# Altium PCB 4S SMART BMS İsmet Akalın.PcbDoc (part 1 of 2) (continued)
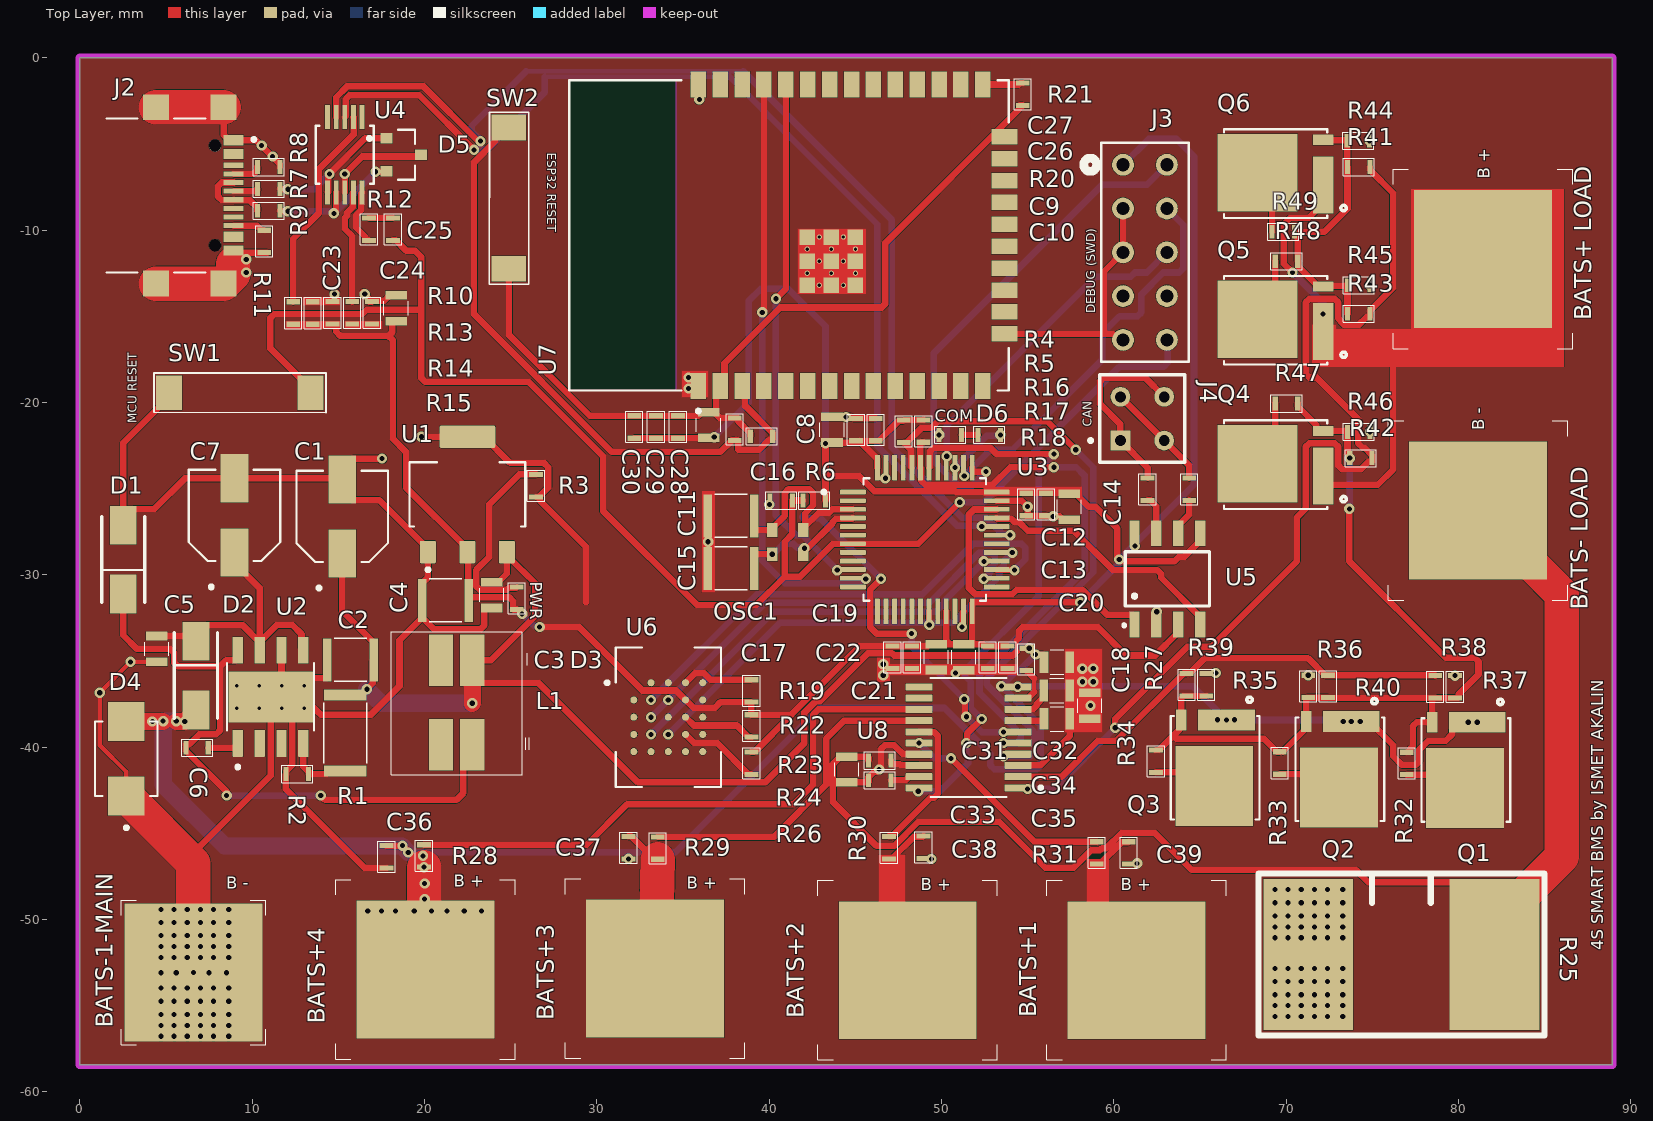
[diagram p0: Top Layer view]
## Part data (continued)
R24 R26: library part "RES 10 OHM 1.5W 0603", "10 Ohms ±2% 1.5W Chip Resistor 0603 (1608 Metric) Moisture Resistant Thick Film", Case/Package=0603, Manufacturer=Vishay, Max Operating Temperature=155°C, Max Power Dissipation=3.9W, Min Operating Temperature=-65°C, Power Dissipation=1.5W, Temperature Coefficient=150ppm/°C, Tolerance=2%, Working Voltage=3.873V, Category="Chip SMD Resistors", ComponentLink1Description=https://datasheet.octopart.com:443/RCP0603W10R0GEB-Vishay-datasheet-182028431.pdf?src-supplier=IHS, ComponentLink1URL=https://datasheet.octopart.com:443/RCP0603W10R0GEB-Vishay-datasheet-182028431.pdf?src-supplier=IHS, ComponentLink2Description=https://datasheet.octopart.com:443/RCP0603W10R0GEB-Vishay-datasheet-152607319.pdf?src-supplier=Upverter, ComponentLink2URL=https://datasheet.octopart.com:443/RCP0603W10R0GEB-Vishay-datasheet-152607319.pdf?src-supplier=Upverter, ComponentLink3Description=http://sigma.octopart.com:80/rohs_statement/Vishay-company-15.pdf?src-supplier=Compliance+Statements, ComponentLink3URL=http://sigma.octopart.com:80/rohs_statement/Vishay-company-15.pdf?src-supplier=Compliance+Statements, Composition="Thick Film", Features="Moisture Resistant", Height=460µm, Length=1.6002mm, Lifecycle Status=Production, Manufacturer Part Number=RCP0603W10R0GEB, Mounting Technology="Surface Mount", Number of Terminals=2, Number of Terminations=2, Power Rating=1.5W, Pricing="1000=1,5971 (USD)", RoHS=Compliant, Supplier="Arrow Electronics", Supplier Part Number=RCP0603W10R0GEB, Width=810µm
R25: library part "RES SHUNT 1 mOHM 10W", "10W Chip Resistor Nonstandard Current Sense, High Voltage Metal Element", Manufacturer=Littelfuse, Max Operating Temperature=170°C, Min Operating Temperature=-55°C, Power Dissipation=10W, Supplier Part Number=576-SSA5931LR001FDR, Temperature Coefficient=50ppm/°C, Tolerance=1%, Category="Chip SMD Resistors", ComponentLink1Description=https://datasheet.octopart.com:443/SSA5931LR001FDR-Littelfuse-datasheet-182144187.pdf?src-supplier=IHS, ComponentLink1URL=https://datasheet.octopart.com:443/SSA5931LR001FDR-Littelfuse-datasheet-182144187.pdf?src-supplier=IHS, Height=500µm, Lifecycle Status=Production, Manufacturer Part Number=SSA5931LR001FDR, Mounting Technology="Surface Mount", Number of Terminals=2, Pricing="1=1,96, 10=1,3, 50=1,01, 100=0,909, 1000=0,677, 10000=0,611 (USD)", RoHS=Compliant, Stock=1410, Supplier=Mouser, Width=7.75mm
R27: library part "RES 10 OHM 1/10W 0603", "10 Ohms ±0.5% 0.1W, 1/10W Chip Resistor 0603 (1608 Metric) Thin Film", Case Code (Imperial)=0603, Manufacturer="Yageo Group", Max Operating Temperature=155°C, Max Power Dissipation=100mW, Min Operating Temperature=-55°C, Supplier Part Number=4013877, Temperature Coefficient=50ppm/°C, Tolerance=0.5%, Voltage Rating=75V, Voltage Rating (DC)=50V, Case/Package=0603, Category="Chip SMD Resistors", China RoHS=Non-Compliant, ComponentLink1Description=https://datasheet.octopart.com:443/RT0603DRE0710RL-Yageo-datasheet-176402239.pdf?src-supplier=Newark, ComponentLink1URL=https://datasheet.octopart.com:443/RT0603DRE0710RL-Yageo-datasheet-176402239.pdf?src-supplier=Newark, ComponentLink2Description=https://datasheet.octopart.com:443/RT0603DRE0710RL-Yageo-datasheet-96443642.pdf?src-supplier=Upverter, ComponentLink2URL=https://datasheet.octopart.com:443/RT0603DRE0710RL-Yageo-datasheet-96443642.pdf?src-supplier=Upverter, ComponentLink3Description=https://datasheet.octopart.com:443/RT0603DRE0710RL-Yageo-datasheet-169971040.pdf?src-supplier=Future+Electronics, ComponentLink3URL=https://datasheet.octopart.com:443/RT0603DRE0710RL-Yageo-datasheet-169971040.pdf?src-supplier=Future+Electronics, ComponentLink4Description=https://datasheet.octopart.com:443/RT0603DRE0710RL-Yageo-datasheet-166250672.pdf?src-supplier=Future+Electronics, ComponentLink4URL=https://datasheet.octopart.com:443/RT0603DRE0710RL-Yageo-datasheet-166250672.pdf?src-supplier=Future+Electronics, ComponentLink5Description=https://datasheet.octopart.com:443/RT0603DRE0710RL-Yageo-datasheet-136673517.pdf?src-supplier=Future+Electronics, ComponentLink5URL=https://datasheet.octopart.com:443/RT0603DRE0710RL-Yageo-datasheet-136673517.pdf?src-supplier=Future+Electronics, ComponentLink6Description=https://datasheet.octopart.com:443/RT0603DRE0710RL-Yageo-datasheet-137700930.pdf?src-supplier=Future+Electronics, ComponentLink6URL=https://datasheet.octopart.com:443/RT0603DRE0710RL-Yageo-datasheet-137700930.pdf?src-supplier=Future+Electronics, ComponentLink7Description=https://datasheet.octopart.com:443/RT0603DRE0710RL-Yageo-Group-datasheet-141265893.pdf?src-supplier=ODG+(Origin+Data+Global), ComponentLink7URL=https://datasheet.octopart.com:443/RT0603DRE0710RL-Yageo-Group-datasheet-141265893.pdf?src-supplier=ODG+(Origin+Data+Global), ComponentLink8Description=https://datasheet.octopart.com/RT0603DRE0710RL-Yageo-datasheet-86813807.pdf, ComponentLink8URL=https://datasheet.octopart.com/RT0603DRE0710RL-Yageo-datasheet-86813807.pdf, ComponentLink9Description=http://sigma.octopart.com:80/conflict_mineral_statement/Yageo-company-3.pdf?src-supplier=Compliance+Statements, ComponentLink9URL=http://sigma.octopart.com:80/conflict_mineral_statement/Yageo-company-3.pdf?src-supplier=Compliance+Statements, ComponentLink10Description=http://sigma.octopart.com:80/rohs_statement/Yageo-company-2.pdf?src-supplier=Compliance+Statements, ComponentLink10URL=http://sigma.octopart.com:80/rohs_statement/Yageo-company-2.pdf?src-supplier=Compliance+Statements, Composition="Thin Film", Contact Plating=Tin, Features="Moisture Resistant", Height=450µm, Lead Free="Lead Free", Length=1.6002mm, Lifecycle Status=Production, Manufacturer Part Number=RT0603DRE0710RL, Mounting Technology="Surface Mount", Number of Terminals=2, Number of Terminations=2, Packaging="Tape & Reel (TR)", Power Dissipation=100mW, Power Rating=100mW, Pricing="10=0,0244, 100=0,018, 500=0,0165, 1000=0,015, 2500=0,0135, 5000=0,012 (EUR)", Radiation Hardening=No, REACH SVHC=Yes, RoHS=Compliant, Stock=4780, Supplier=Farnell, Width=800µm, Working Voltage=75V
R28 R29 R30 R31 R32 R33 R34 R47 R48 R49: library part "RES 100K OHM 1/10W 0603", "100 kOhms ±0.1% 0.1W, 1/10W Chip Resistor 0603 (1608 Metric) Anti-Sulfur, Automotive AEC-Q200 Thin Film", Case Code (Metric)=1608, Case Code (Imperial)=0603, Manufacturer=Susumu, Max Operating Temperature=155°C, Max Power Dissipation=100mW, Min Operating Temperature=-55°C, Supplier Part Number=2180081, Temperature Coefficient=10ppm/°C, Tolerance=0.1%, Voltage Rating=100V, Voltage Rating (DC)=75V, Case/Package=0603, Category="Chip SMD Resistors", ComponentLink1Description=https://datasheet.octopart.com:443/RG1608P-104-B-T5-Susumu-datasheet-182148308.pdf?src-supplier=IHS, ComponentLink1URL=https://datasheet.octopart.com:443/RG1608P-104-B-T5-Susumu-datasheet-182148308.pdf?src-supplier=IHS, ComponentLink2Description=https://datasheet.octopart.com:443/RG1608P-104-B-T5-Susumu-datasheet-104167497.pdf?src-supplier=Upverter, ComponentLink2URL=https://datasheet.octopart.com:443/RG1608P-104-B-T5-Susumu-datasheet-104167497.pdf?src-supplier=Upverter, ComponentLink3Description=https://datasheet.octopart.com:443/RG1608P-104-B-T5-Susumu-datasheet-68296037.pdf?src-supplier=Future+Electronics, ComponentLink3URL=https://datasheet.octopart.com:443/RG1608P-104-B-T5-Susumu-datasheet-68296037.pdf?src-supplier=Future+Electronics, ComponentLink4Description=https://datasheet.octopart.com:443/RG1608P-104-B-T5-Susumu-datasheet-12510102.pdf?src-supplier=Future+Electronics, ComponentLink4URL=https://datasheet.octopart.com:443/RG1608P-104-B-T5-Susumu-datasheet-12510102.pdf?src-supplier=Future+Electronics, ComponentLink5Description=https://datasheet.octopart.com:443/RG1608P-104-B-T5-Susumu-datasheet-12510050.pdf?src-supplier=Future+Electronics, ComponentLink5URL=https://datasheet.octopart.com:443/RG1608P-104-B-T5-Susumu-datasheet-12510050.pdf?src-supplier=Future+Electronics, ComponentLink6Description=https://datasheet.octopart.com/RG1608P-104-B-T5-Susumu-datasheet-12509734.pdf, ComponentLink6URL=https://datasheet.octopart.com/RG1608P-104-B-T5-Susumu-datasheet-12509734.pdf, ComponentLink7Description=https://datasheet.octopart.com:443/RG1608P-104-B-T5-Susumu-datasheet-118552.pdf?src-supplier=DigiKey, ComponentLink7URL=https://datasheet.octopart.com:443/RG1608P-104-B-T5-Susumu-datasheet-118552.pdf?src-supplier=DigiKey, Composition="Thin Film", Features="Automotive AEC-Q200", Height=400µm, Lead Free="Lead Free", Length=1.6002mm, Lifecycle Status=Production, Manufacturer Part Number=RG1608P-104-B-T5, Mounting Technology="Surface Mount", Number of Terminals=2, Number of Terminations=2, Power Dissipation=100mW, Power Rating=100mW, Pricing="5000=0,0575, 10000=0,0565, 15000=0,0559, 20000=0,0556, 25000=0,0543 (USD)", REACH SVHC=Yes, RoHS=Compliant, Schedule B=8533210045, Stock=50000, Supplier="Future Electronics", Termination=SMD/SMT, Weight=2.012816mg, Width=800µm, Working Voltage=75V
R35 R36 R37 R38 R39 R40 R41 R42 R43 R44 R45 R46: library part "RES 100 OHM 1/10W 0603", "100 Ohms ±0.1% 0.1W, 1/10W Chip Resistor 0603 (1608 Metric) Anti-Sulfur, Automotive AEC-Q200 Thin Film", Case Code (Metric)=1608, Case Code (Imperial)=0603, Manufacturer=Susumu, Max Operating Temperature=155°C, Max Power Dissipation=100mW, Min Operating Temperature=-55°C, Supplier Part Number=2930963, Temperature Coefficient=25ppm/°C, Tolerance=0.1%, Voltage Rating=100V, Voltage Rating (DC)=75V, Case/Package=0603, Category="Chip SMD Resistors", ComponentLink1Description=https://datasheet.octopart.com:443/RG1608P-101-B-T5-Susumu-datasheet-182148308.pdf?src-supplier=IHS, ComponentLink1URL=https://datasheet.octopart.com:443/RG1608P-101-B-T5-Susumu-datasheet-182148308.pdf?src-supplier=IHS, ComponentLink2Description=https://datasheet.octopart.com:443/RG1608P-101-B-T5-Susumu-datasheet-104167497.pdf?src-supplier=Upverter, ComponentLink2URL=https://datasheet.octopart.com:443/RG1608P-101-B-T5-Susumu-datasheet-104167497.pdf?src-supplier=Upverter, ComponentLink3Description=https://datasheet.octopart.com:443/RG1608P-101-B-T5-Susumu-datasheet-78834969.pdf?src-supplier=Farnell, ComponentLink3URL=https://datasheet.octopart.com:443/RG1608P-101-B-T5-Susumu-datasheet-78834969.pdf?src-supplier=Farnell, ComponentLink4Description=https://datasheet.octopart.com:443/RG1608P-101-B-T5-Susumu-datasheet-12509734.pdf?src-supplier=Future+Electronics, ComponentLink4URL=https://datasheet.octopart.com:443/RG1608P-101-B-T5-Susumu-datasheet-12509734.pdf?src-supplier=Future+Electronics, ComponentLink5Description=https://datasheet.octopart.com:443/RG1608P-101-B-T5-Susumu-datasheet-12510102.pdf?src-supplier=Future+Electronics, ComponentLink5URL=https://datasheet.octopart.com:443/RG1608P-101-B-T5-Susumu-datasheet-12510102.pdf?src-supplier=Future+Electronics, ComponentLink6Description=https://datasheet.octopart.com:443/RG1608P-101-B-T5-Susumu-datasheet-12510050.pdf?src-supplier=Future+Electronics, ComponentLink6URL=https://datasheet.octopart.com:443/RG1608P-101-B-T5-Susumu-datasheet-12510050.pdf?src-supplier=Future+Electronics, ComponentLink7Description=https://datasheet.octopart.com:443/RG1608P-101-B-T5-Susumu-datasheet-8324184.pdf?src-supplier=Newark, ComponentLink7URL=https://datasheet.octopart.com:443/RG1608P-101-B-T5-Susumu-datasheet-8324184.pdf?src-supplier=Newark, ComponentLink8Description=https://datasheet.octopart.com:443/RG1608P-101-B-T5-Susumu-datasheet-118552.pdf?src-supplier=DigiKey, ComponentLink8URL=https://datasheet.octopart.com:443/RG1608P-101-B-T5-Susumu-datasheet-118552.pdf?src-supplier=DigiKey, Composition="Thin Film", Contact Plating=Tin, Features="Automotive AEC-Q200", Height=400µm, Lead Free="Lead Free", Length=1.6002mm, Lifecycle Status=Production, Manufacturer Part Number=RG1608P-101-B-T5, Mounting Technology="Surface Mount", Number of Terminals=2, Number of Terminations=2, Packaging="Tape & Reel", Pins=2, Power Dissipation=100mW, Power Rating=100mW, Pricing="1=0,095, 25=0,075, 50=0,069, 100=0,062, 250=0,056 (EUR)", REACH SVHC=Yes, RoHS=Compliant, Stock=4117, Supplier=Farnell, Termination=SMD/SMT, Width=800µm, Working Voltage=100V
SW1 SW2: library part "SWITCH TACTILE 0.05A 12V", "Switch Tactile Spst-no 0.05A 12V", Contact Resistance=100mΩ, Manufacturer="C&K Components", Supplier Part Number=611-PTS636SM50JSMTRL, Category="Tactile Switches", ComponentLink1Description=https://datasheet.octopart.com:443/PTS636SM50JSMTR-LFS-C%26K-Components-datasheet-166147775.pdf?src-supplier=TME, ComponentLink1URL=https://datasheet.octopart.com:443/PTS636SM50JSMTR-LFS-C%26K-Components-datasheet-166147775.pdf?src-supplier=TME, Manufacturer Part Number="PTS636SM50JSMTR LFS", Number of Positions=2, Pricing="1=0,21, 10=0,183, 50=0,172, 100=0,155, 1000=0,123, 10000=0,112 (USD)", Stock=6250, Supplier=Mouser
U1: "IC REG LINEAR 3.3V 1A SOT-223-3L", Manufacturer=ams, Max Junction Temperature (Tj)=125°C, Voltage Tolerance=3%, Category="LDO Voltage Regulators", ComponentLink1Description=https://datasheet.octopart.com:443/AMS1117-3.3-ams-datasheet-31830847.pdf?src-supplier=IHS, ComponentLink1URL=https://datasheet.octopart.com:443/AMS1117-3.3-ams-datasheet-31830847.pdf?src-supplier=IHS, Height - Seated (Max)=1.8mm, Length=6.505mm, Manufacturer Part Number=AMS1117-3.3, Number of Circuits=1, Number of Terminals=3, Pricing="100=0,1, 1000=0,1, 10000=0,1 (USD)", REACH SVHC=Yes, RoHS=Compliant, Stock=375, Supplier="Bison Technologies", Terminal Pitch=2.29mm, Width=3.505mm
U2: "5.5V to 36V Input, 3A, 500kHz Step-Down Converter 8-SO PowerPAD 0 to 0", Case/Package=SOIC, Frequency=600kHz, Manufacturer="Texas Instruments", Manufacturer Lifecycle Status=ACTIVE, Max Junction Temperature (Tj)=125°C, Max Output current=3A, Max Output Voltage=31V, Max Supply Voltage=36V, Min Operating Temperature=-40°C, Min Output Voltage=1.22V, Min Supply Voltage=5.5V, Nominal Supply Current=3mA, Switching Frequency=500kHz, Category="Voltage Regulators - Switching", ComponentLink1Description=https://sigma.octopart.com:443/104526336/technical_drawing/Texas-Instruments-TPS5430DDA.pdf?src-supplier=Texas+Instruments, ComponentLink1URL=https://sigma.octopart.com:443/104526336/technical_drawing/Texas-Instruments-TPS5430DDA.pdf?src-supplier=Texas+Instruments, ComponentLink2Description=https://octopart.com:443/opatz8j6/c1?t=cQwpT0IAjSvIeJNymzR49Ha4c8-Jw2GT8njN-4Wya_e5nsqySIYXgLxhkt0Jd4x2pizck7_uu0HpZBw0JIFNfGGHRxe2c5Q7M53Cns2xcEWVPkypOPmOnsio6HGwNRmBpO-tMX1aZ7VXmPql3w2aNZ9NhKChGGzvfC2q8bq69m3tcrhUwZqRyTiP4V9FR-DzuPaqnEQMs9yZrbpgcvLaaD0vy6xkV0-8W_9Zwu7IarCKUSxbgWNR-blL30e4x9bwSFN6WJrXrHFDNBoVcqvo5cL7ylo3HUXX5OruNdVRWvfm9UQ8Yujwri02A_A1AhmI0qVpc6YNiv36RxOftZXveUNmTKoyiKy0CBBmk6sHc2xMuj3RoS5LRI_jl5pMJHu_-RE&src-supplier=Texas+Instruments, ComponentLink2URL=https://octopart.com:443/opatz8j6/c1?t=cQwpT0IAjSvIeJNymzR49Ha4c8-Jw2GT8njN-4Wya_e5nsqySIYXgLxhkt0Jd4x2pizck7_uu0HpZBw0JIFNfGGHRxe2c5Q7M53Cns2xcEWVPkypOPmOnsio6HGwNRmBpO-tMX1aZ7VXmPql3w2aNZ9NhKChGGzvfC2q8bq69m3tcrhUwZqRyTiP4V9FR-DzuPaqnEQMs9yZrbpgcvLaaD0vy6xkV0-8W_9Zwu7IarCKUSxbgWNR-blL30e4x9bwSFN6WJrXrHFDNBoVcqvo5cL7ylo3HUXX5OruNdVRWvfm9UQ8Yujwri02A_A1AhmI0qVpc6YNiv36RxOftZXveUNmTKoyiKy0CBBmk6sHc2xMuj3RoS5LRI_jl5pMJHu_-RE&src-supplier=Texas+Instruments, ComponentLink3Description=https://datasheet.octopart.com:443/TPS5430DDA-Texas-Instruments-datasheet-34154659.pdf?src-supplier=Texas+Instruments, ComponentLink3URL=https://datasheet.octopart.com:443/TPS5430DDA-Texas-Instruments-datasheet-34154659.pdf?src-supplier=Texas+Instruments, ComponentLink4Description=https://datasheet.octopart.com:443/TPS5430DDA-Texas-Instruments-datasheet-17423535.pdf?src-supplier=Texas+Instruments, ComponentLink4URL=https://datasheet.octopart.com:443/TPS5430DDA-Texas-Instruments-datasheet-17423535.pdf?src-supplier=Texas+Instruments, ComponentLink5Description=https://datasheet.octopart.com:443/TPS5430DDA-Texas-Instruments-datasheet-13479706.pdf?src-supplier=Texas+Instruments, ComponentLink5URL=https://datasheet.octopart.com:443/TPS5430DDA-Texas-Instruments-datasheet-13479706.pdf?src-supplier=Texas+Instruments, ComponentLink6Description=https://sigma.octopart.com:443/49250132/technical_drawing/Texas-Instruments-TPS5430DDA.pdf?src-supplier=Texas+Instruments, ComponentLink6URL=https://sigma.octopart.com:443/49250132/technical_drawing/Texas-Instruments-TPS5430DDA.pdf?src-supplier=Texas+Instruments, ComponentLink7Description=https://datasheet.octopart.com:443/TPS5430DDA-Texas-Instruments-datasheet-10258285.pdf?src-supplier=Texas+Instruments, ComponentLink7URL=https://datasheet.octopart.com:443/TPS5430DDA-Texas-Instruments-datasheet-10258285.pdf?src-supplier=Texas+Instruments, ComponentLink8Description=https://datasheet.octopart.com:443/TPS5430DDA-Texas-Instruments-datasheet-151806.pdf?src-supplier=Texas+Instruments, ComponentLink8URL=https://datasheet.octopart.com:443/TPS5430DDA-Texas-Instruments-datasheet-151806.pdf?src-supplier=Texas+Instruments, ComponentLink9Description=https://datasheet.octopart.com:443/TPS5430DDA-Texas-Instruments-datasheet-136392.pdf?src-supplier=Texas+Instruments, ComponentLink9URL=https://datasheet.octopart.com:443/TPS5430DDA-Texas-Instruments-datasheet-136392.pdf?src-supplier=Texas+Instruments, ComponentLink10Description=https://datasheet.octopart.com:443/TPS5430DDA-Texas-Instruments-datasheet-37140813.pdf?src-supplier=element14+APAC, ComponentLink10URL=https://datasheet.octopart.com:443/TPS5430DDA-Texas-Instruments-datasheet-37140813.pdf?src-supplier=element14+APAC, ComponentLink11Description=https://datasheet.octopart.com:443/TPS5430DDA-Texas-Instruments-datasheet-66810009.pdf?src-supplier=element14+APAC, ComponentLink11URL=https://datasheet.octopart.com:443/TPS5430DDA-Texas-Instruments-datasheet-66810009.pdf?src-supplier=element14+APAC, ComponentLink12Description=https://datasheet.octopart.com:443/TPS5430DDA.-Texas-Instruments-datasheet-62292585.pdf?src-supplier=element14+APAC, ComponentLink12URL=https://datasheet.octopart.com:443/TPS5430DDA.-Texas-Instruments-datasheet-62292585.pdf?src-supplier=element14+APAC, ComponentLink13Description=https://datasheet.octopart.com:443/TPS5430DDA.-Texas-Instruments-datasheet-32026778.pdf?src-supplier=element14+APAC, ComponentLink13URL=https://datasheet.octopart.com:443/TPS5430DDA.-Texas-Instruments-datasheet-32026778.pdf?src-supplier=element14+APAC, ComponentLink14Description=https://datasheet.octopart.com:443/TPS5430DDA-Texas-Instruments-datasheet-21262768.pdf?src-supplier=element14+APAC, ComponentLink14URL=https://datasheet.octopart.com:443/TPS5430DDA-Texas-Instruments-datasheet-21262768.pdf?src-supplier=element14+APAC, ComponentLink15Description=https://datasheet.octopart.com:443/TPS5430DDA-Texas-Instruments-datasheet-14439094.pdf?src-supplier=Upverter, ComponentLink15URL=https://datasheet.octopart.com:443/TPS5430DDA-Texas-Instruments-datasheet-14439094.pdf?src-supplier=Upverter, ComponentLink16Description=https://datasheet.octopart.com:443/TPS5430DDA-Texas-Instruments-datasheet-23715064.pdf?src-supplier=Newark, ComponentLink16URL=https://datasheet.octopart.com:443/TPS5430DDA-Texas-Instruments-datasheet-23715064.pdf?src-supplier=Newark, ComponentLink17Description=https://datasheet.octopart.com:443/TPS5430DDA-Texas-Instruments-datasheet-11761703.pdf?src-supplier=Newark, ComponentLink17URL=https://datasheet.octopart.com:443/TPS5430DDA-Texas-Instruments-datasheet-11761703.pdf?src-supplier=Newark, ComponentLink18Description=https://datasheet.octopart.com:443/TPS5430DDA-Texas-Instruments-datasheet-14167055.pdf?src-supplier=iiiC, ComponentLink18URL=https://datasheet.octopart.com:443/TPS5430DDA-Texas-Instruments-datasheet-14167055.pdf?src-supplier=iiiC, ComponentLink19Description=https://datasheet.octopart.com:443/TPS5430DDA-Texas-Instruments-datasheet-8428127.pdf?src-supplier=Jameco, ComponentLink19URL=https://datasheet.octopart.com:443/TPS5430DDA-Texas-Instruments-datasheet-8428127.pdf?src-supplier=Jameco, ComponentLink20Description=http://sigma.octopart.com:80/reach_statement/Texas-Instruments-company-64.pdf?src-supplier=Compliance+Statements, ComponentLink20URL=http://sigma.octopart.com:80/reach_statement/Texas-Instruments-company-64.pdf?src-supplier=Compliance+Statements, ComponentLink21Description=http://sigma.octopart.com:80/conflict_mineral_statement/Texas-Instruments-company-63.pdf?src-supplier=Compliance+Statements, ComponentLink21URL=http://sigma.octopart.com:80/conflict_mineral_statement/Texas-Instruments-company-63.pdf?src-supplier=Compliance+Statements, Efficiency=95%, Height=1.7mm, Lead Free="Lead Free", Length=4.89mm, Lifecycle Status=Production, Manufacturer Part Number=TPS5430DDA, Max Duty Cycle=89%, Max Operating Temperature=125°C, Min Input Voltage=5.5V, Mounting Technology="Surface Mount", Number of Channels=1, Number of Outputs=1, Operating Supply Voltage=36V, Output Current=3A, Output Type=Adjustable, Output Voltage=31V, Pins=8, Pricing="1=3,964, 10=2,831 (USD)", Quiescent Current=3mA, Radiation Hardening=No, REACH SVHC=No, RoHS=Compliant, Schedule B="8542390000, 8542390000|8542390000|8542390000|8542390000|8542390000|8542390000|8542390000|8542390000|8542390000|8542390000|8542390000|8542390000|8542390000|8542390000|8542390000|8542390000|8542390000|8542390000|8542390000|8542390000|8542390000|8542390000|8542390000|85", Stock=65, Supplier="Arrow Electronics", Supplier Part Number=TPS5430DDA, Synchronous Rectifier=No, Thickness=1.48mm, Topology=Buck, Weight=70.590313mg, Width=3.9mm
U3: "IC MCU 32BIT 128KB FLASH 48LQFP", Ambient Temperature Range High=85°C, Frequency=170MHz, Manufacturer=STMicroelectronics, Max Junction Temperature (Tj)=105°C, Max Supply Current=29mA, Max Supply Voltage=3.6V, Min Operating Temperature=-40°C, Min Supply Voltage=1.71V, Operating Supply Voltage=3V, Category=Microcontrollers, China RoHS=Compliant, Clock Rate=48MHz, ComponentLink1Description=https://datasheet.octopart.com:443/STM32G431CBT6-STMicroelectronics-datasheet-136120343.pdf?src-supplier=Future+Electronics, ComponentLink1URL=https://datasheet.octopart.com:443/STM32G431CBT6-STMicroelectronics-datasheet-136120343.pdf?src-supplier=Future+Electronics, Core Architecture="ARM Cortex-M4", Data Bus Width=32b, EEPROM Memory Size=0B, Flash Memory Size=128kB, Height=1.6mm, Height - Seated (Max)=1.6mm, Length=7mm, Lifecycle Status=Production, Manufacturer Part Number=STM32G431CBT6, Max Operating Temperature=85°C, Memory Format=FLASH, Memory Size=128kB, Number of A/D Converters=1, Number of ADC Channels=17, Number of D/A Converters=2, Number of PWM Channels=31, Number of SPI Channels=3, Number of Terminals=48, Number of Timers/Counters=12, Number of UART Channels=4, Number of USART Channels=3, Number of USB Channels=1, Number of I2C Channels=3, Number of I/Os=5, Number of Interrupts=16, Pricing="1=4,083, 10=3,333, 25=3,084, 100=2,983, 250=2,847, 500=2,627 (USD)", RAM Size=32kB, REACH SVHC=Yes, RoHS=Compliant, Schedule B="8542310000, 8542310000|8542310000|8542310000|8542310000|8542310000", Stock=32983, Supplier="Arrow Electronics", Supplier Part Number=STM32G431CBT6, Terminal Pitch=500µm, Width=7mm, Interface=USB
U4: library part CH340E, "USB Bridge, USB to UART USB 2.0 UART Interface 10-MSOP", Current - Supply=20mA, Operating Temperature="-20°C ~ 70°C (TA)", Package / Case=10-MSOP, Voltage - Supply="3V ~ 3.6V", ComponentLink1Description="Supplier Link", ComponentLink1URL=https://www.digikey.com/en/products/detail/sparkfun-electronics/16278/17829769, ComponentLink2Description=Datasheet, ComponentLink2URL=https://www.mpja.com/download/35227cpdata.pdf, Function="Bridge, USB to UART", Model=CH340E, Protocol=USB, Standards="USB 2.0", Interface=UART
U5: "1/1 Transceiver Half CANbus 8-SOIC", Ambient Temperature Range High=150°C, Case/Package=SOIC, Manufacturer=Microchip, Max Junction Temperature (Tj)=190°C, Max Supply Voltage=5.5V, Min Operating Temperature=-40°C, Min Supply Voltage=1.8V, Nominal Supply Current=70mA, Category="CAN Transceivers", ComponentLink1Description=https://datasheet.octopart.com:443/MCP2562-H-SN-Microchip-datasheet-38190264.pdf?src-supplier=Microchip, ComponentLink1URL=https://datasheet.octopart.com:443/MCP2562-H-SN-Microchip-datasheet-38190264.pdf?src-supplier=Microchip, ComponentLink2Description=https://datasheet.octopart.com/MCP2562-H-SN-Microchip-datasheet-15670463.pdf, ComponentLink2URL=https://datasheet.octopart.com/MCP2562-H-SN-Microchip-datasheet-15670463.pdf, ComponentLink3Description=http://sigma.octopart.com:80/188449173/materials_sheet/Microchip-MCP2562-H-SN.pdf?src-supplier=Compliance+Statements, ComponentLink3URL=http://sigma.octopart.com:80/188449173/materials_sheet/Microchip-MCP2562-H-SN.pdf?src-supplier=Compliance+Statements, ComponentLink4Description=http://sigma.octopart.com:80/conflict_mineral_statement/Microchip-company-69.pdf?src-supplier=Compliance+Statements, ComponentLink4URL=http://sigma.octopart.com:80/conflict_mineral_statement/Microchip-company-69.pdf?src-supplier=Compliance+Statements, ComponentLink5Description=http://sigma.octopart.com:80/conflict_mineral_statement/Microchip-company-68.pdf?src-supplier=Compliance+Statements, ComponentLink5URL=http://sigma.octopart.com:80/conflict_mineral_statement/Microchip-company-68.pdf?src-supplier=Compliance+Statements, ComponentLink6Description=http://sigma.octopart.com:80/reach_statement/Microchip-company-70.pdf?src-supplier=Compliance+Statements, ComponentLink6URL=http://sigma.octopart.com:80/reach_statement/Microchip-company-70.pdf?src-supplier=Compliance+Statements, ComponentLink7Description=http://sigma.octopart.com:80/rohs_statement/Microchip-company-71.pdf?src-supplier=Compliance+Statements, ComponentLink7URL=http://sigma.octopart.com:80/rohs_statement/Microchip-company-71.pdf?src-supplier=Compliance+Statements, Country of Assembly=Thailand, Country of Fabrication=Taiwan, Country of Origin=Thailand, Data Rate=1Mbps, Export Control Classification Number (ECCN) Code=EAR99, Harmonized Tariff Schedule (HTS) Code=8542.39.0060, Height=1.75mm, Lead Free="Lead Free", Lifecycle Status=Production, Manufacturer Part Number=MCP2562-H/SN, Max Operating Temperature=150°C, Mounting Technology="Surface Mount", Number of Transceivers=1, Pins=8, Pricing="200=0,9808 (USD)", Projected EOL Date=2039-03-19, Propagation Delay=125ns, Radiation Hardening=No, RoHS=Compliant, Schedule B=8529906000, Stock=200, Supplier="Arrow Electronics", Supplier Part Number=MCP2562-H/SN, Turn-On Delay Time=125ns, Interface=CAN, Introduction Date=2013-03-19
U6: library part "FLASH W25Q128JV", "FLASH - NOR Memory IC 128Mbit SPI - Quad I/O, QPI, DTR 133 MHz 24-TFBGA (6x8)", Clock Frequency="133 MHz", Operating Temperature="-40°C ~ 105°C (TA)", Package / Case=24-TBGA, Voltage - Supply="2.7V ~ 3.6V", Base Product Number="FLASH W25Q128JV", ComponentLink1Description=Datasheet, ComponentLink1URL=https://www.winbond.com/resource-files/w25q128jv_dtr%20revc%2003272018%20plus.pdf, ComponentLink2Description="Supplier Link", ComponentLink2URL=https://www.digikey.com/en/products/detail/winbond-electronics/w25q128jvbjm/9169933, Memory Format=FLASH, Memory Organization="16M x 8", Memory Size=128Mbit, Memory Type=Non-Volatile, Memory Interface="SPI - Quad I/O, QPI, DTR", Mounting Type="Surface Mount", Technology="FLASH - NOR", Write Cycle Time - Word, Page=3ms
U7: "Bluetooth, WiFi 802.11b/g/n, Bluetooth v4.2 +EDR, Class 1, 2 and 3 Transceiver Module 2.4GHz ~ 2.5GHz Integrated, Chip Surface Mount", Manufacturer="Espressif Systems", Manufacturer Part Number=ESP32-WROOM-32E-N4, Max Operating Temperature=85°C, Max Supply Voltage=3.6V, Min Operating Temperature=-40°C, Min Supply Voltage=3V, Operating Supply Voltage=3.3V, Supplier Part Number=356-ESP32WRM32E132PH, Category="System on Chip (SoC)", ComponentLink1Description=https://datasheet.octopart.com:443/ESP32-WROOM-32E-N4-Espressif-Systems-datasheet-182247776.pdf?src-supplier=IHS, ComponentLink1URL=https://datasheet.octopart.com:443/ESP32-WROOM-32E-N4-Espressif-Systems-datasheet-182247776.pdf?src-supplier=IHS, ComponentLink2Description=https://datasheet.octopart.com:443/ESP32-WROOM-32E-N4-Espressif-Systems-datasheet-188867343.pdf?src-supplier=TME, ComponentLink2URL=https://datasheet.octopart.com:443/ESP32-WROOM-32E-N4-Espressif-Systems-datasheet-188867343.pdf?src-supplier=TME, ComponentLink3Description=https://datasheet.octopart.com:443/ESP32-WROOM-32E-N4-Espressif-Systems-datasheet-165560559.pdf?src-supplier=TME, ComponentLink3URL=https://datasheet.octopart.com:443/ESP32-WROOM-32E-N4-Espressif-Systems-datasheet-165560559.pdf?src-supplier=TME, ComponentLink4Description=https://datasheet.octopart.com:443/ESP32-WROOM-32E-N4-Espressif-Systems-datasheet-151884363.pdf?src-supplier=Future+Electronics, ComponentLink4URL=https://datasheet.octopart.com:443/ESP32-WROOM-32E-N4-Espressif-Systems-datasheet-151884363.pdf?src-supplier=Future+Electronics, Height - Seated (Max)=3.25mm, Length=25.5mm, Number of Terminals=38, Pricing="1=5,59, 1=4,81, 10=5, 10=4,3, 25=3,41, 50=3,96, 100=3,82, 100=3,29, 250=3,17, 650=2,85, 1000=3,31, 1300=2,71, 1950=2,58, 10000=3 (USD)", RoHS=Compliant, Stock=37962, Supplier=Mouser, Terminal Pitch=1.27mm, Width=18mm
U8: "3 to 5-Series Cell Li-Ion and Li-Phosphate Battery Monitor (bq76940 Family) 20-TSSOP -40 to 85", Case/Package=TSSOP, Manufacturer="Texas Instruments", Manufacturer Lifecycle Status=ACTIVE, Manufacturer Part Number=BQ7692000PWR, Max Operating Temperature=85°C, Max Supply Voltage=25V, Min Operating Temperature=-40°C, Min Supply Voltage=6V, Output Voltage=3.6V, Category="Battery Management", ComponentLink1Description=https://sigma.octopart.com:443/157851284/technical_drawing/Texas-Instruments-BQ7692000PWR.pdf?src-supplier=Texas+Instruments, ComponentLink1URL=https://sigma.octopart.com:443/157851284/technical_drawing/Texas-Instruments-BQ7692000PWR.pdf?src-supplier=Texas+Instruments, ComponentLink2Description=https://octopart.com:443/opatz8j6/c1?t=SUv5cTV3hbxgLzMURFhOl31P7KwdP4IIa1VXY-0LQTF56ovuquQhRah-IZMqMMYwmg_DfMuMoPnfRi3b6zabcyTbO33mx1nQz2bkJkMKHm8q09abDQSYb_WkrLjav2RMt-V5NjDpR6hn6fR69isqLRegOjoVb3BuvhuEuIC9qftM-JVDlkyISEQycX9rjI5xR09KPbL3ewCdJCialcWofIxbjuTWOTvIVVdEzCEQW0iyRmTiOXLILS7qWjAwphNZ1e-U7mh07FngErzhP7Mb2cWrE7io9jCloFUrM_r23Ys53kEe01IhFn4WIjfFAp6eArI68kZDZimviBPFZOzgamDubAsPha5UrIwXwr63rUMxCzXOMdaU3E7royDoSUAaeIRbPQ&src-supplier=Texas+Instruments, ComponentLink2URL=https://octopart.com:443/opatz8j6/c1?t=SUv5cTV3hbxgLzMURFhOl31P7KwdP4IIa1VXY-0LQTF56ovuquQhRah-IZMqMMYwmg_DfMuMoPnfRi3b6zabcyTbO33mx1nQz2bkJkMKHm8q09abDQSYb_WkrLjav2RMt-V5NjDpR6hn6fR69isqLRegOjoVb3BuvhuEuIC9qftM-JVDlkyISEQycX9rjI5xR09KPbL3ewCdJCialcWofIxbjuTWOTvIVVdEzCEQW0iyRmTiOXLILS7qWjAwphNZ1e-U7mh07FngErzhP7Mb2cWrE7io9jCloFUrM_r23Ys53kEe01IhFn4WIjfFAp6eArI68kZDZimviBPFZOzgamDubAsPha5UrIwXwr63rUMxCzXOMdaU3E7royDoSUAaeIRbPQ&src-supplier=Texas+Instruments, ComponentLink3Description=https://datasheet.octopart.com:443/BQ7692000PWR-Texas-Instruments-datasheet-34142074.pdf?src-supplier=Texas+Instruments, ComponentLink3URL=https://datasheet.octopart.com:443/BQ7692000PWR-Texas-Instruments-datasheet-34142074.pdf?src-supplier=Texas+Instruments, ComponentLink4Description=https://datasheet.octopart.com:443/BQ7692000PWR-Texas-Instruments-datasheet-32015107.pdf?src-supplier=Texas+Instruments, ComponentLink4URL=https://datasheet.octopart.com:443/BQ7692000PWR-Texas-Instruments-datasheet-32015107.pdf?src-supplier=Texas+Instruments, ComponentLink5Description=https://datasheet.octopart.com:443/BQ7692000PWR-Texas-Instruments-datasheet-24998011.pdf?src-supplier=Texas+Instruments, ComponentLink5URL=https://datasheet.octopart.com:443/BQ7692000PWR-Texas-Instruments-datasheet-24998011.pdf?src-supplier=Texas+Instruments, ComponentLink6Description=https://sigma.octopart.com:443/49249835/technical_drawing/Texas-Instruments-BQ7692000PWR.pdf?src-supplier=Texas+Instruments, ComponentLink6URL=https://sigma.octopart.com:443/49249835/technical_drawing/Texas-Instruments-BQ7692000PWR.pdf?src-supplier=Texas+Instruments, ComponentLink7Description=https://datasheet.octopart.com:443/BQ7692000PWR-Texas-Instruments-datasheet-149901685.pdf?src-supplier=Upverter, ComponentLink7URL=https://datasheet.octopart.com:443/BQ7692000PWR-Texas-Instruments-datasheet-149901685.pdf?src-supplier=Upverter, ComponentLink8Description=https://datasheet.octopart.com:443/BQ7692000PWR-Texas-Instruments-datasheet-162168029.pdf?src-supplier=LCSC, ComponentLink8URL=https://datasheet.octopart.com:443/BQ7692000PWR-Texas-Instruments-datasheet-162168029.pdf?src-supplier=LCSC, ComponentLink9Description=https://datasheet.octopart.com:443/BQ7692000PWR-Texas-Instruments-datasheet-164413110.pdf?src-supplier=SHENGYU+ELECTRONICS, ComponentLink9URL=https://datasheet.octopart.com:443/BQ7692000PWR-Texas-Instruments-datasheet-164413110.pdf?src-supplier=SHENGYU+ELECTRONICS, ComponentLink10Description=http://sigma.octopart.com:80/conflict_mineral_statement/Texas-Instruments-company-63.pdf?src-supplier=Compliance+Statements, ComponentLink10URL=http://sigma.octopart.com:80/conflict_mineral_statement/Texas-Instruments-company-63.pdf?src-supplier=Compliance+Statements, ComponentLink11Description=http://sigma.octopart.com:80/reach_statement/Texas-Instruments-company-64.pdf?src-supplier=Compliance+Statements, ComponentLink11URL=http://sigma.octopart.com:80/reach_statement/Texas-Instruments-company-64.pdf?src-supplier=Compliance+Statements, Contact Plating=Gold, Fault Protection="Over Current, Over/Under Voltage, Short Circuit", Height=0m, Lead Free="Lead Free", Length=6.5mm, Lifecycle Status=Production, Mounting Technology="Surface Mount", Number of Cells=5, Packaging="Tape & Reel (TR)", Pins=20, Pricing="1=3,56, 10=2,68, 50=2,46, 100=2,21, 1000=1,97, 10000=1,87 (USD)", RoHS=Compliant, Stock=2559, Supplier=Mouser, Supplier Part Number=BQ7692000PWR, Thickness=1mm, Weight=78.187985mg, Width=4.4mm, Interface=I2C

## Via types
v1: diameter 0.6, hole 0.3, Top Layer to GND, 169 vias
v2: diameter 0.6, hole 0.3, Top Layer to Bottom Layer, 67 vias
v3: diameter 0.6, hole 0.3, Top Layer to PWR, 23 vias
v4: diameter 0.6, hole 0.3, GND to Bottom Layer, 1 vias

## Nets (pads, with @x,y where several pads share a name; then routed paths per layer and width w, separated by ;. In a path a pad name is that pad's centre, name@x,y a point inside that pad or via, vN(x,y) a via of type N, cw(c..) or ccw(c..) an arc to the next point about the centre after c; other vN are vias at no path point)
BAT+: BATS+4.+ C35.1 C36.2 D2.1 D4.1 Q1.DRAIN Q2.DRAIN Q3.DRAIN R27.1 R28.1 U8.10 | length 117.1
  Top Layer w0.381: C36.2@17.78,-45.705 v3(18.715,-45.705) 19.755,-46.745 19.755,-46.914 19.795,-46.954 v3(19.964,-46.954) ; v2(53.467,-36.449) 53.504,-36.486 v3(54.417,-36.486) U8.10@54.432,-36.501 ; R27.1@54.915,-34.25 v3(55.084,-34.25) v2(55.452,-34.617) 55.883,-34.617 55.943,-34.677 C35.1@55.943,-35.052 ; v2(73.77,-38.498) 74.82,-38.498 76.2,-39.878 76.2,-40.513 76.708,-41.021 77.501,-41.021 77.724,-40.798 77.724,-40.132 78.232,-39.624 79.248,-39.624 79.621,-39.251 79.621,-38.952 80.031,-38.542 v3(81.081,-38.542)
  Top Layer w1: D4.1@2.692,-38.5 v2@4.826,-38.5 ; v2@5.588,-38.5 v3(6.083,-38.5) 6.731,-37.852 D2.1@6.731,-37.839
  Top Layer w2: v3(19.964,-46.954) 19.964,-52.807 BATS+4.+@20.041,-52.883
  Bottom Layer w0.381: v2(19.05,-46.101) 34.544,-46.101 42.926,-37.719 50.165,-37.719 52.832,-40.386 52.832,-41.052 53.055,-41.275 55.53,-41.275 55.753,-41.052 55.753,-38.735 v2(53.467,-36.449) ; v2(55.452,-34.617) 54.521,-35.548 54.368,-35.548 v2(53.467,-36.449) ; v2(73.77,-38.498) 73.71,-38.498 73.628,-38.415 v2(66.526,-38.415) 64.56,-36.449 v2(53.467,-36.449)
  Bottom Layer w1: v2(5.588,-38.481) v2(4.826,-38.481) 4.826,-42.164 8.382,-45.72 18.669,-45.72 v2(19.05,-46.101)
  other v3: 16.7,-49.5 17.5,-49.5 18.3,-49.5 19.4,-49.5 20.4,-49.5 21.3,-49.5 22.3,-49.5 23.3,-49.5 20,-48.8 20,-47.9 19.9,-46.3 80.556,-38.542 4.2,-38.5 73.3,-38.5 74.295,-38.498 66,-38.4 67,-38.4